# Altium PCB W5100S-PICO-Mining_V100.PcbDoc (part 2 of 2)
Units mm, origin at the board's own origin, x right, y up, seen from the top; angles counter-clockwise.
Board outline 120 x 140 mm, 4 copper layers (Top Layer, Internal Plane 1, Internal Plane 2, Bottom Layer), stack 0.844 mm thick; 224 components, 173 nets, 847 pads, 397 vias.
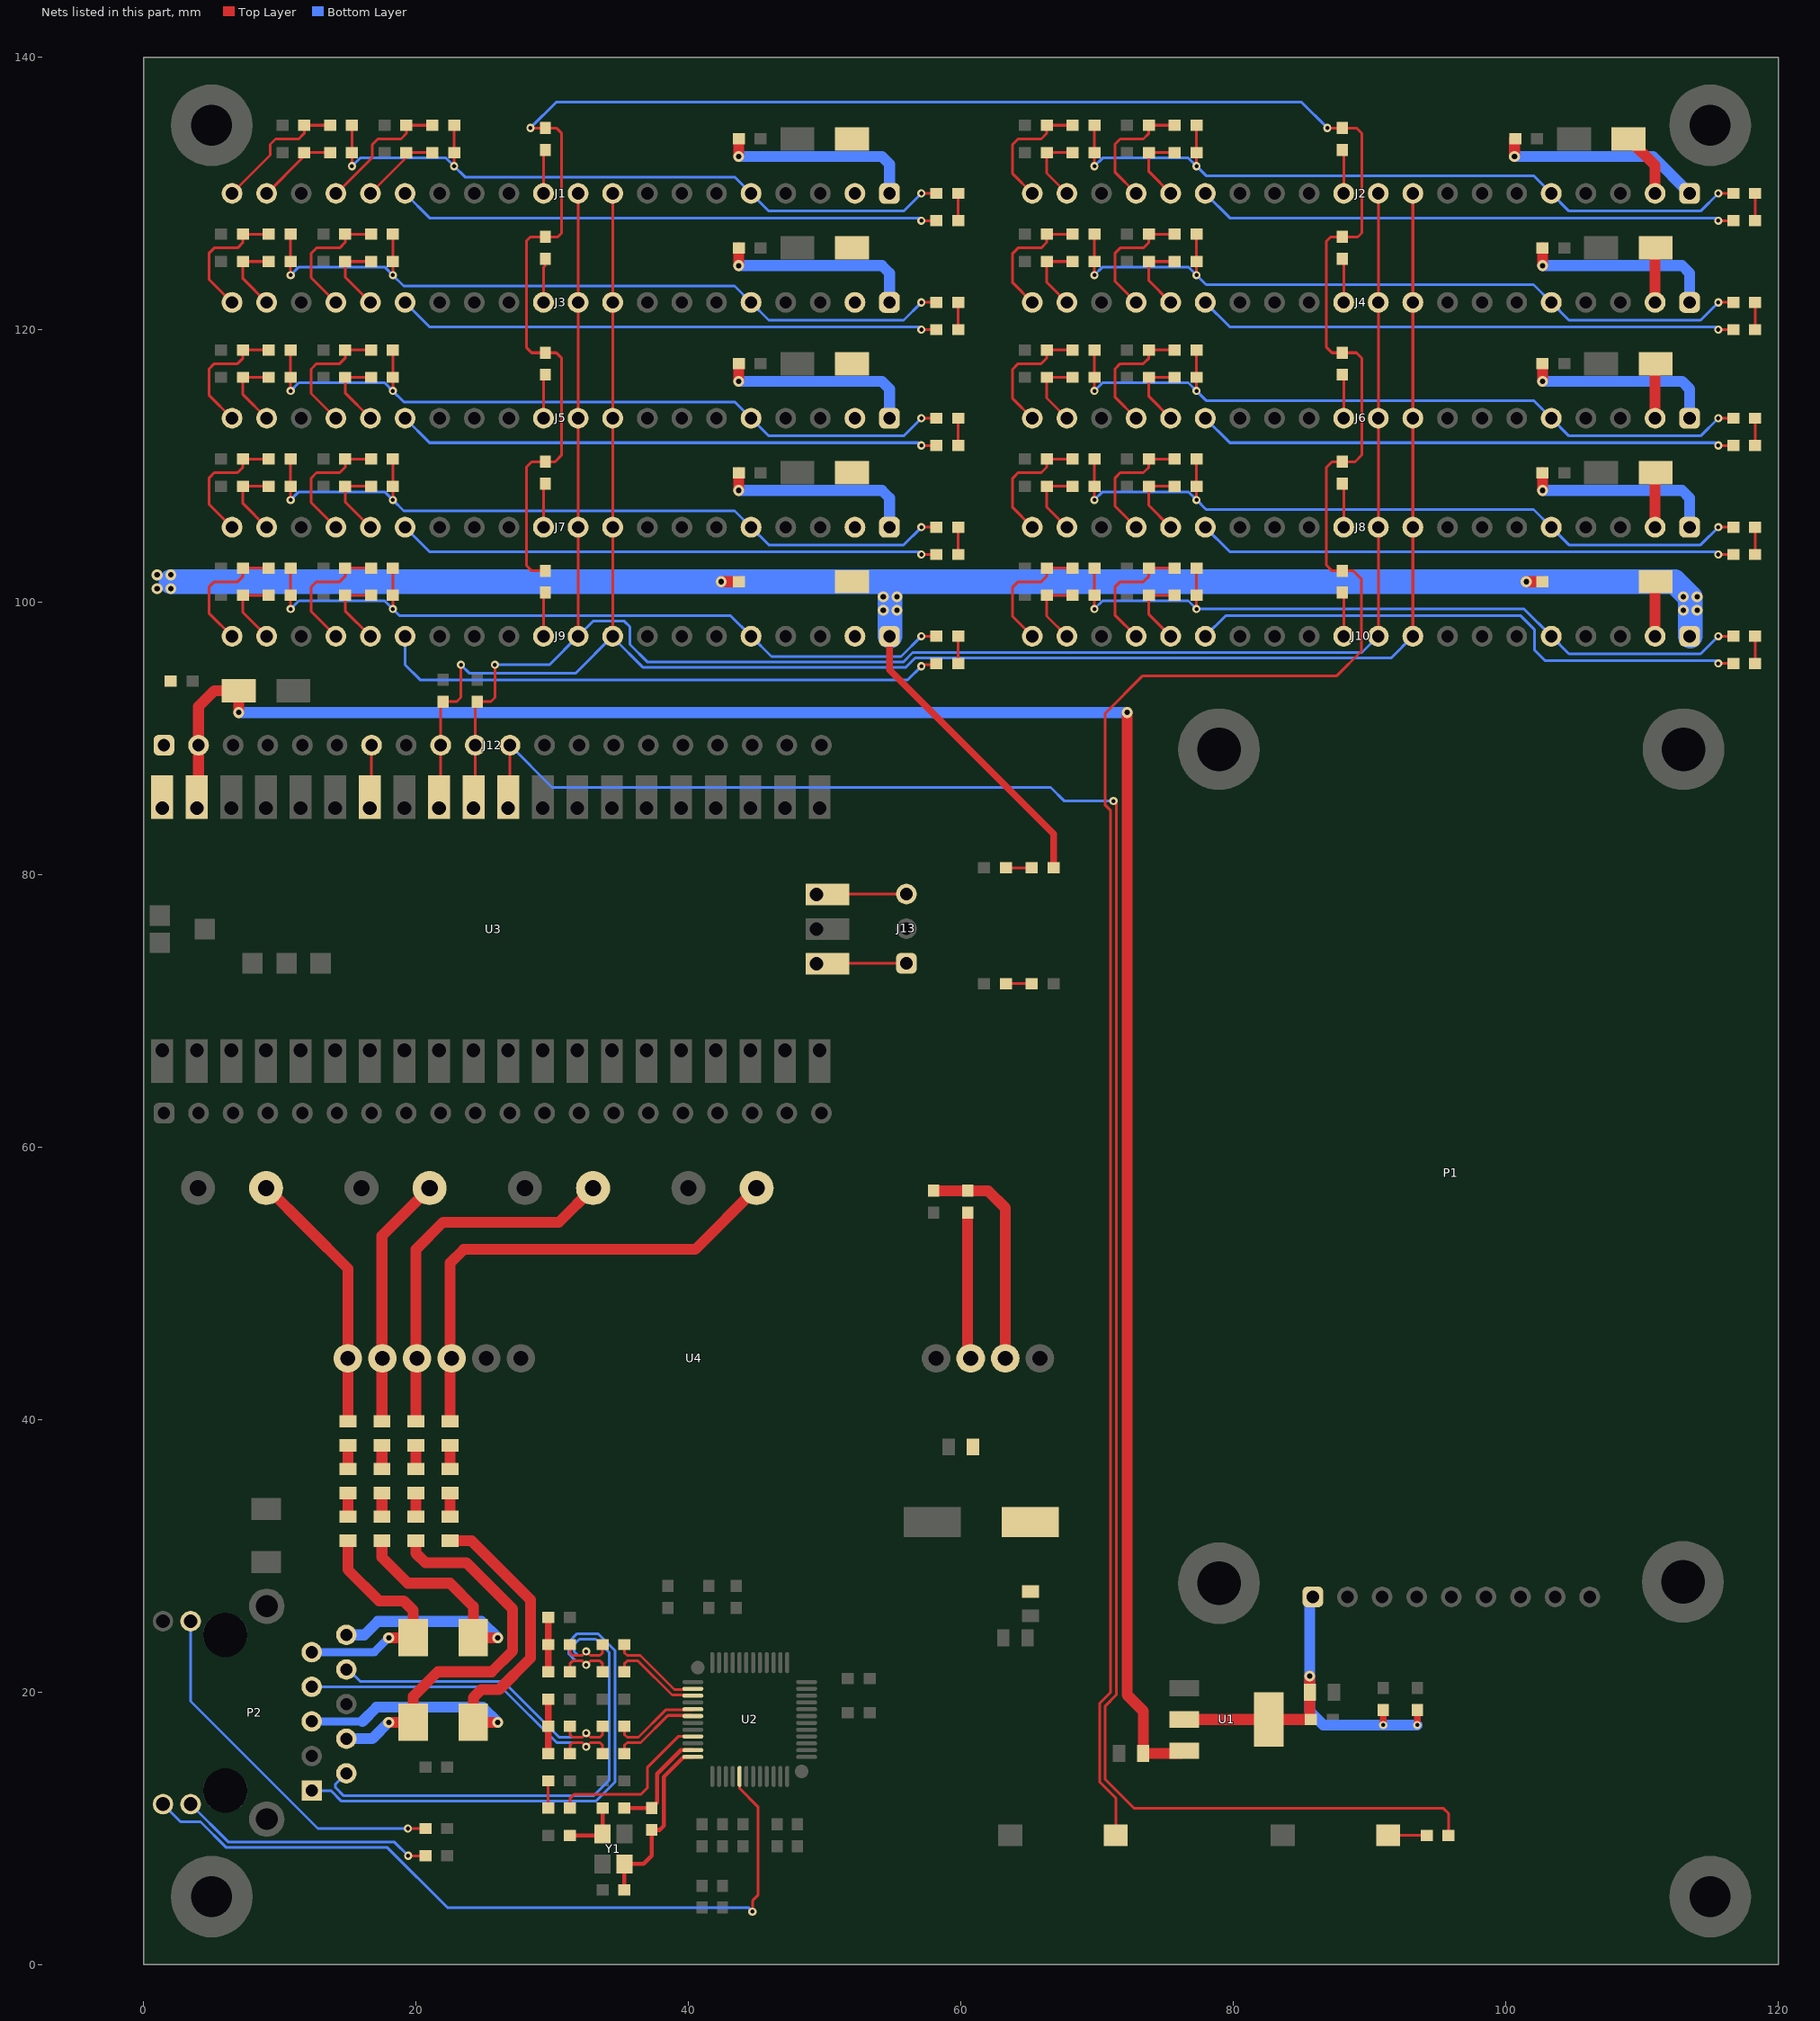
[diagram p4: the nets of this part, all layers, seen from the top]

## Via types
v1: diameter 0.8, hole 0.4, Top Layer to Bottom Layer, tented both sides, 244 vias
v2: diameter 0.6, hole 0.3, Top Layer to Bottom Layer, tented both sides, 153 vias

## Nets (pads, with @x,y where several pads share a name; then routed paths per layer and width w, separated by ;. In a path a pad name is that pad's centre, name@x,y a point inside that pad or via, vN(x,y) a via of type N, cw(c..) or ccw(c..) an arc to the next point about the centre after c; other vN are vias at no path point) (continued)
GPIO26/ADC0: J1.10 J2.10 J3.10 J4.10 J5.10 J6.10 J7.10 J8.10 J9.10 J10.10 J12.10 R133.1 U3.31 | length 143.9
  Top Layer w0.2: U3.31@24.23,85.69 24.36,85.82 J12.10@24.36,89.5 24.36,92.56 R133.1@24.5,92.7 25.5,92.7 25.8,93 v2(25.8,95.4) ; J9.10@31.9,97.5 J7.10@31.9,105.5 J5.10@31.9,113.5 J3.10@31.9,121.5 ; J3.10@31.9,122 J1.10@31.9,130 ; J10.10@90.64,97.5 J8.10@90.64,105.5 J6.10@90.64,113.5 J4.10@90.64,121.5 ; J4.10@90.64,122 J2.10@90.64,130
  Bottom Layer w0.2: v2(25.8,95.4) 29.8,95.4 J9.10@31.9,97.5 33,98.6 35.3,98.6 35.7,98.2 35.7,96.9 37,95.6 55.734,95.6 55.766,95.6 56.466,96.3 89.44,96.3 J10.10@90.64,97.5
GPIO27/ADC1: J1.9 J2.9 J3.9 J4.9 J5.9 J6.9 J7.9 J8.9 J9.9 J10.9 J12.9 R132.1 U3.32 | length 148
  Top Layer w0.2: U3.32@21.69,85.69 21.82,85.82 J12.9@21.82,89.5 21.82,92.52 R132.1@22,92.7 23,92.7 23.3,93 v2(23.3,95.4) ; J9.9@34.44,97.5 J7.9@34.44,105.5 J5.9@34.44,113.5 J3.9@34.44,121.5 ; J3.9@34.44,122 J1.9@34.44,130 ; J10.9@93.18,97.5 J8.9@93.18,105.5 J6.9@93.18,113.5 J4.9@93.18,121.5 ; J4.9@93.18,122 J2.9@93.18,130
  Bottom Layer w0.2: v2(23.3,95.4) 23.9,94.8 31.74,94.8 J9.9@34.44,97.5 ; J9.9@34.521,97.358 36.679,95.2 55.9,95.2 55.931,95.2 56.631,95.9 89.606,95.9 91.58,95.9 J10.9@93.18,97.5
GPIO28/ADC2: J12.7 U3.34 | length 3.9
  Top Layer w0.2: U3.34@16.61,85.69 16.74,85.82 J12.7@16.74,89.5
LCD_3V3: C2.2 C3.2 P1.1 R91.2 R92.2 U1.2 U1.4 | length 31.4
  Top Layer w0.5: v2(91,17.6) R91.2@91,18.7 ; v2(93.5,17.6) R92.2@93.5,18.7
  Top Layer w0.8: U1.2@76.4,18 U1.4@82.6,18 85.6,18 85.6,20 v1(85.6,21.2)
  Bottom Layer w0.8: P1.1@85.84,27 85.6,26.76 v1(85.6,21.2) 85.6,18.6 86.6,17.6 v2(91,17.6) v2(93.5,17.6)
LINKn: P2.P14 U2.17 | length 57.2
  Top Layer w0.2: U2.17@43.75,13.825 43.75,12.95 45.1,11.6 45.1,5.1 44.7,4.7 v2(44.7,3.9)
  Bottom Layer w0.2: P2.P14@1.43,11.785 2.725,10.49 4.19,10.49 6.079,8.6 17.9,8.6 22.3,4.2 44.4,4.2 v2(44.7,3.9)
NetC5_2: C5.2 R121.1 R122.1 | length 4
  Top Layer w0.5: R121.1@29.7,15.5 R122.1@29.7,17.5 C5.2@29.7,19.5
NetC6_2: C6.2 R123.1 R124.1 | length 4
  Top Layer w0.5: R123.1@29.7,21.5 R124.1@29.7,23.5 C6.2@29.7,25.5
NetC8_1: C8.1 C9.2 L4.1 R129.1 U4.8 | length 10.8
  Top Layer w0.8: R129.1@60.5,55.2 60.5,44.72 U4.8@60.72,44.5
NetC11_2: C11.2 L3.2 U4.1 | length 19.6
  Top Layer w0.8: C11.2@9.05,57.05 12.1,54 15,51.1 U4.1@15,44.5 L3.2@15,39.889
NetC12_2: C12.2 L7.2 U4.2 | length 18.6
  Top Layer w0.8: L7.2@17.5,39.889 17.5,53.5 C12.2@21,57
NetC13_2: C13.2 L10.2 U4.3 | length 27.5
  Top Layer w0.8: L10.2@20,39.889 20,44.5 20,52.5 22,54.5 30.5,54.5 C13.2@33,57
NetC14_2: C14.2 L13.2 U4.4 | length 36.4
  Top Layer w0.8: L13.2@22.5,39.889 22.5,51.5 23.5,52.5 40.5,52.5 C14.2@45,57
NetC15_2: C15.2 R131.1 Y1.1 | length 4.3
  Top Layer w0.3: C15.2@31.3,9.5 33.6,9.5 Y1.1@33.7,9.6 R131.1@33.7,11.5
NetD1_2: D1.2 J1.2
NetD2_2: D2.2 J2.2 | length 4.8
  Top Layer w0.8: D2.2@109,134 110.96,132.04 J2.2@110.96,130
NetD3_2: D3.2 J3.2
NetD4_2: D4.2 J4.2 | length 4
  Top Layer w0.8: J4.2@110.96,122 D4.2@110.96,125.96
NetD5_2: D5.2 J5.2
NetD6_2: D6.2 J6.2 | length 4
  Top Layer w0.8: J6.2@110.96,113.5 D6.2@110.96,117.46
NetD7_2: D7.2 J7.2
NetD8_2: D8.2 J8.2 | length 4
  Top Layer w0.8: J8.2@110.96,105.5 D8.2@110.96,109.46
NetD9_2: D9.2 J9.2
NetD10_2: D10.2 J10.2 | length 4
  Top Layer w0.8: J10.2@110.96,97.5 D10.2@110.96,101.46
NetJ1_5: J1.5 LD1.1 R10.2 R11.2 R12.2 R13.2 | length 51.3
  Top Layer w0.2: v2(15.3,132) R10.2@15.3,135 ; v2(22.8,132) R12.2@22.8,135 ; v2(57.1,130) LD1.1@58.2,130
  Bottom Layer w0.2: v2(15.3,132) 15.9,132.6 22.2,132.6 v2(22.8,132) 23.6,131.2 43.4,131.2 J1.5@44.6,130 45.9,128.7 55.8,128.7 v2(57.1,130)
NetJ1_11: J1.11 R5.2 | length 3.3
  Top Layer w0.2: J1.11@29.36,130 29.36,132.56 29.36,133.06 R5.2@29.5,133.2
NetJ1_15: J1.15 R9.2 | length 39.8
  Top Layer w0.2: v2(57.1,128) R9.2@58.2,128
  Bottom Layer w0.2: J1.15@19.2,130 21,128.2 45.7,128.2 56.9,128.2 v2(57.1,128)
NetJ1_16: J1.16 R13.1 R32.2 | length 6
  Top Layer w0.2: J1.16@16.66,130 19.3,132.64 R32.2@19.3,133 R13.1@21.2,133
NetJ1_17: J1.17 R12.1 R31.2 | length 9.9
  Top Layer w0.2: J1.17@14.221,130.058 16.8,132.637 16.8,133.6 17.2,134 18.9,134 19.3,134.4 R31.2@19.3,135 R12.1@21.2,135
NetJ1_19: J1.19 R11.1 R30.2 | length 6.1
  Top Layer w0.2: J1.19@9.021,129.958 11.8,132.737 R30.2@11.8,133 R11.1@13.7,133
NetJ1_20: J1.20 R10.1 R29.2 | length 10.1
  Top Layer w0.2: J1.20@6.5,130 9.3,132.8 9.3,133.6 9.7,134 11.4,134 11.8,134.4 R29.2@11.8,135 R10.1@13.7,135
NetJ2_5: J2.5 LD2.1 R15.2 R16.2 R17.2 R18.2 | length 55.3
  Top Layer w0.2: v2(69.8,132) R15.2@69.8,135 ; v2(77.3,132) R17.2@77.3,135 ; v2(115.6,130) LD2.1@116.7,130
  Bottom Layer w0.2: v2(69.8,132) 70.4,132.6 76.7,132.6 v2(77.3,132) 78,131.3 102.04,131.3 J2.5@103.34,130 104.64,128.7 114.3,128.7 v2(115.6,130)
NetJ2_11: J2.11 R6.2 | length 3.2
  Top Layer w0.2: R6.2@88,133.2 88.1,133.1 J2.11@88.1,130
NetJ2_15: J2.15 R14.2 | length 39.6
  Top Layer w0.2: v2(115.6,128) R14.2@116.7,128
  Bottom Layer w0.2: J2.15@77.94,130 79.74,128.2 88.9,128.2 115.4,128.2 v2(115.6,128)
NetJ2_16: J2.16 R18.1 R36.2 | length 5.6
  Top Layer w0.2: J2.16@75.4,130 73.8,131.6 R36.2@73.8,133 R18.1@75.7,133
NetJ2_17: J2.17 R17.1 R35.2 | length 9.6
  Top Layer w0.2: J2.17@72.86,130 71.3,131.56 71.3,133.6 71.7,134 73.4,134 73.8,134.4 R35.2@73.8,135 R17.1@75.7,135
NetJ2_19: J2.19 R16.1 R34.2 | length 5.5
  Top Layer w0.2: J2.19@67.78,130 66.3,131.48 R34.2@66.3,133 R16.1@68.2,133
NetJ2_20: J2.20 R15.1 R33.2 | length 9.5
  Top Layer w0.2: J2.20@65.24,130 63.8,131.44 63.8,133.6 64.2,134 65.9,134 66.3,134.4 R33.2@66.3,135 R15.1@68.2,135
NetJ3_5: J3.5 LD3.1 R20.2 R21.2 R22.2 R23.2 | length 55.8
  Top Layer w0.2: v2(10.8,124) R21.2@10.8,125 R20.2@10.8,127 ; v2(18.3,124) R23.2@18.3,125 R22.2@18.3,127 ; v2(57.1,122) LD3.1@58.2,122
  Bottom Layer w0.2: v2(10.8,124) 11.4,124.6 17.7,124.6 v2(18.3,124) 19.1,123.2 43.4,123.2 J3.5@44.6,122 45.9,120.7 55.8,120.7 v2(57.1,122)
NetJ3_11: J3.11 R7.2 | length 2.8
  Top Layer w0.2: J3.11@29.36,122 29.36,124.56 29.5,124.7
NetJ3_15: J3.15 R19.2 | length 39.8
  Top Layer w0.2: v2(57.1,120) R19.2@58.2,120
  Bottom Layer w0.2: J3.15@19.2,122 21,120.2 45.7,120.2 56.9,120.2 v2(57.1,120)
NetJ3_16: J3.16 R23.1 R40.2 | length 5.7
  Top Layer w0.2: J3.16@16.66,122 14.8,123.86 R40.2@14.8,125 R23.1@16.7,125
NetJ3_17: J3.17 R22.1 R39.2 | length 9.7
  Top Layer w0.2: J3.17@14.12,122 12.3,123.82 12.3,125.6 12.7,126 14.4,126 14.8,126.4 R39.2@14.8,127 R22.1@16.7,127
NetJ3_19: J3.19 R21.1 R38.2 | length 5.6
  Top Layer w0.2: J3.19@9.04,122 7.3,123.74 R38.2@7.3,125 R21.1@9.2,125
NetJ3_20: J3.20 R20.1 R37.2 | length 9.6
  Top Layer w0.2: J3.20@6.5,122 4.8,123.7 4.8,125.6 5.2,126 6.9,126 7.3,126.4 R37.2@7.3,127 R20.1@9.2,127
NetJ4_5: J4.5 LD4.1 R25.2 R26.2 R27.2 R28.2 | length 55.3
  Top Layer w0.2: v2(69.8,124) R25.2@69.8,127 ; v2(77.3,124) R27.2@77.3,127 ; v2(115.6,122) LD4.1@116.7,122
  Bottom Layer w0.2: v2(69.8,124) 70.4,124.6 76.7,124.6 v2(77.3,124) 78,123.3 102.04,123.3 J4.5@103.34,122 104.64,120.7 114.3,120.7 v2(115.6,122)
NetJ4_11: J4.11 R8.2 | length 3.2
  Top Layer w0.2: R8.2@88,125.2 88.1,125.1 J4.11@88.1,122
NetJ4_15: J4.15 R24.2 | length 39.6
  Top Layer w0.2: v2(115.6,120) R24.2@116.7,120
  Bottom Layer w0.2: J4.15@77.94,122 79.74,120.2 88.9,120.2 115.4,120.2 v2(115.6,120)
NetJ4_16: J4.16 R28.1 R44.2 | length 5.6
  Top Layer w0.2: J4.16@75.4,122 73.8,123.6 R44.2@73.8,125 R28.1@75.7,125
NetJ4_17: J4.17 R27.1 R43.2 | length 9.6
  Top Layer w0.2: J4.17@72.86,122 71.3,123.56 71.3,125.6 71.7,126 73.4,126 73.8,126.4 R43.2@73.8,127 R27.1@75.7,127
NetJ4_19: J4.19 R26.1 R42.2 | length 5.5
  Top Layer w0.2: J4.19@67.78,122 66.3,123.48 R42.2@66.3,125 R26.1@68.2,125
NetJ4_20: J4.20 R25.1 R41.2 | length 9.5
  Top Layer w0.2: J4.20@65.24,122 63.8,123.44 63.8,125.6 64.2,126 65.9,126 66.3,126.4 R41.2@66.3,127 R25.1@68.2,127
NetJ5_5: J5.5 LD5.1 R54.2 R55.2 R56.2 R57.2 | length 55.8
  Top Layer w0.2: v2(10.8,115.5) R55.2@10.8,116.5 R54.2@10.8,118.5 ; v2(18.3,115.5) R57.2@18.3,116.5 R56.2@18.3,118.5 ; v2(57.1,113.5) LD5.1@58.2,113.5
  Bottom Layer w0.2: v2(10.8,115.5) 11.4,116.1 17.7,116.1 v2(18.3,115.5) 19.1,114.7 43.4,114.7 J5.5@44.6,113.5 45.9,112.2 55.8,112.2 v2(57.1,113.5)
NetJ5_11: J5.11 R49.2 | length 3.3
  Top Layer w0.2: J5.11@29.36,113.5 29.36,116.56 R49.2@29.5,116.7
NetJ5_15: J5.15 R53.2 | length 39.8
  Top Layer w0.2: v2(57.1,111.5) R53.2@58.2,111.5
  Bottom Layer w0.2: J5.15@19.2,113.5 21,111.7 45.7,111.7 56.9,111.7 v2(57.1,111.5)
NetJ5_16: J5.16 R57.1 R76.2 | length 5.7
  Top Layer w0.2: J5.16@16.66,113.5 14.8,115.36 R76.2@14.8,116.5 R57.1@16.7,116.5
NetJ5_17: J5.17 R56.1 R75.2 | length 9.7
  Top Layer w0.2: J5.17@14.12,113.5 12.3,115.32 12.3,117.1 12.7,117.5 14.4,117.5 14.8,117.9 R75.2@14.8,118.5 R56.1@16.7,118.5
NetJ5_19: J5.19 R55.1 R74.2 | length 5.6
  Top Layer w0.2: J5.19@9.04,113.5 7.3,115.24 R74.2@7.3,116.5 R55.1@9.2,116.5
NetJ5_20: J5.20 R54.1 R73.2 | length 9.6
  Top Layer w0.2: J5.20@6.5,113.5 4.8,115.2 4.8,117.1 5.2,117.5 6.9,117.5 7.3,117.9 R73.2@7.3,118.5 R54.1@9.2,118.5
NetJ6_5: J6.5 LD6.1 R59.2 R60.2 R61.2 R62.2 | length 55.3
  Top Layer w0.2: v2(69.8,115.5) R59.2@69.8,118.5 ; v2(77.3,115.5) R61.2@77.3,118.5 ; v2(115.6,113.5) LD6.1@116.7,113.5
  Bottom Layer w0.2: v2(69.8,115.5) 70.4,116.1 76.7,116.1 v2(77.3,115.5) 78,114.8 102.04,114.8 J6.5@103.34,113.5 104.64,112.2 114.3,112.2 v2(115.6,113.5)
NetJ6_11: J6.11 R50.2 | length 3.2
  Top Layer w0.2: R50.2@88,116.7 88.1,116.6 J6.11@88.1,113.5
NetJ6_15: J6.15 R58.2 | length 39.6
  Top Layer w0.2: v2(115.6,111.5) R58.2@116.7,111.5
  Bottom Layer w0.2: J6.15@77.94,113.5 79.74,111.7 88.9,111.7 115.4,111.7 v2(115.6,111.5)
NetJ6_16: J6.16 R62.1 R80.2 | length 5.6
  Top Layer w0.2: J6.16@75.4,113.5 73.8,115.1 R80.2@73.8,116.5 R62.1@75.7,116.5
NetJ6_17: J6.17 R61.1 R79.2 | length 9.6
  Top Layer w0.2: J6.17@72.86,113.5 71.3,115.06 71.3,117.1 71.7,117.5 73.4,117.5 73.8,117.9 R79.2@73.8,118.5 R61.1@75.7,118.5
NetJ6_19: J6.19 R60.1 R78.2 | length 5.5
  Top Layer w0.2: J6.19@67.78,113.5 66.3,114.98 R78.2@66.3,116.5 R60.1@68.2,116.5
NetJ6_20: J6.20 R59.1 R77.2 | length 9.5
  Top Layer w0.2: J6.20@65.24,113.5 63.8,114.94 63.8,117.1 64.2,117.5 65.9,117.5 66.3,117.9 R77.2@66.3,118.5 R59.1@68.2,118.5
NetJ7_5: J7.5 LD7.1 R64.2 R65.2 R66.2 R67.2 | length 55.8
  Top Layer w0.2: v2(10.8,107.5) R65.2@10.8,108.5 R64.2@10.8,110.5 ; v2(18.3,107.5) R67.2@18.3,108.5 R66.2@18.3,110.5 ; v2(57.1,105.5) LD7.1@58.2,105.5
  Bottom Layer w0.2: v2(10.8,107.5) 11.4,108.1 17.7,108.1 v2(18.3,107.5) 19.1,106.7 43.4,106.7 J7.5@44.6,105.5 45.9,104.2 55.8,104.2 v2(57.1,105.5)
NetJ7_11: J7.11 R51.2 | length 3.3
  Top Layer w0.2: J7.11@29.36,105.5 29.36,108.56 R51.2@29.5,108.7
NetJ7_15: J7.15 R63.2 | length 39.8
  Top Layer w0.2: v2(57.1,103.5) R63.2@58.2,103.5
  Bottom Layer w0.2: J7.15@19.2,105.5 21,103.7 45.7,103.7 56.9,103.7 v2(57.1,103.5)
NetJ7_16: J7.16 R67.1 R84.2 | length 5.7
  Top Layer w0.2: J7.16@16.66,105.5 14.8,107.36 R84.2@14.8,108.5 R67.1@16.7,108.5
NetJ7_17: J7.17 R66.1 R83.2 | length 9.7
  Top Layer w0.2: J7.17@14.12,105.5 12.3,107.32 12.3,109.1 12.7,109.5 14.4,109.5 14.8,109.9 R83.2@14.8,110.5 R66.1@16.7,110.5
NetJ7_19: J7.19 R65.1 R82.2 | length 5.6
  Top Layer w0.2: J7.19@9.04,105.5 7.3,107.24 R82.2@7.3,108.5 R65.1@9.2,108.5
NetJ7_20: J7.20 R64.1 R81.2 | length 9.6
  Top Layer w0.2: J7.20@6.5,105.5 4.8,107.2 4.8,109.1 5.2,109.5 6.9,109.5 7.3,109.9 R81.2@7.3,110.5 R64.1@9.2,110.5
NetJ8_5: J8.5 LD8.1 R69.2 R70.2 R71.2 R72.2 | length 55.3
  Top Layer w0.2: v2(69.8,107.5) R69.2@69.8,110.5 ; v2(77.3,107.5) R71.2@77.3,110.5 ; v2(115.6,105.5) LD8.1@116.7,105.5
  Bottom Layer w0.2: v2(69.8,107.5) 70.4,108.1 76.7,108.1 v2(77.3,107.5) 78,106.8 102.04,106.8 J8.5@103.34,105.5 104.64,104.2 114.3,104.2 v2(115.6,105.5)
NetJ8_11: J8.11 R52.2 | length 3.2
  Top Layer w0.2: R52.2@88,108.7 88.1,108.6 J8.11@88.1,105.5
NetJ8_15: J8.15 R68.2 | length 39.6
  Top Layer w0.2: v2(115.6,103.5) R68.2@116.7,103.5
  Bottom Layer w0.2: J8.15@77.94,105.5 79.74,103.7 88.9,103.7 115.4,103.7 v2(115.6,103.5)
NetJ8_16: J8.16 R72.1 R88.2 | length 5.6
  Top Layer w0.2: J8.16@75.4,105.5 73.8,107.1 R88.2@73.8,108.5 R72.1@75.7,108.5
NetJ8_17: J8.17 R71.1 R87.2 | length 9.6
  Top Layer w0.2: J8.17@72.86,105.5 71.3,107.06 71.3,109.1 71.7,109.5 73.4,109.5 73.8,109.9 R87.2@73.8,110.5 R71.1@75.7,110.5
NetJ8_19: J8.19 R70.1 R86.2 | length 5.5
  Top Layer w0.2: J8.19@67.78,105.5 66.3,106.98 R86.2@66.3,108.5 R70.1@68.2,108.5
NetJ8_20: J8.20 R69.1 R85.2 | length 9.5
  Top Layer w0.2: J8.20@65.24,105.5 63.8,106.94 63.8,109.1 64.2,109.5 65.9,109.5 66.3,109.9 R85.2@66.3,110.5 R69.1@68.2,110.5
NetJ9_5: J9.5 LD9.1 R97.2 R98.2 R99.2 R100.2 | length 56
  Top Layer w0.2: v2(10.8,99.5) R98.2@10.8,100.5 R97.2@10.8,102.5 ; v2(18.3,99.5) R100.2@18.3,100.5 R99.2@18.3,102.5 ; v2(57.1,97.5) LD9.1@58.2,97.5
  Bottom Layer w0.2: v2(10.8,99.5) 11.4,100.1 17.7,100.1 v2(18.3,99.5) 18.8,99 43.1,99 J9.5@44.6,97.5 46.1,96 55.6,96 v2(57.1,97.5)
NetJ9_11: J9.11 R94.2 | length 3.3
  Top Layer w0.2: J9.11@29.36,97.5 29.36,100.56 R94.2@29.5,100.7
NetJ9_15: J9.15 R96.2 | length 42.1
  Top Layer w0.2: v2(57.1,95.3) 57.2,95.4 58.2,95.4 R96.2@58.2,95.5
  Bottom Layer w0.2: J9.15@19.2,97.5 19.2,95.4 20.3,94.3 56.1,94.3 v2(57.1,95.3)
NetJ9_16: J9.16 R100.1 R109.2 | length 5.7
  Top Layer w0.2: J9.16@16.66,97.5 14.8,99.36 R109.2@14.8,100.5 R100.1@16.7,100.5
NetJ9_17: J9.17 R99.1 R108.2 | length 9.7
  Top Layer w0.2: J9.17@14.12,97.5 12.3,99.32 12.3,101.1 12.7,101.5 14.4,101.5 14.8,101.9 R108.2@14.8,102.5 R99.1@16.7,102.5
NetJ9_19: J9.19 R98.1 R107.2 | length 5.6
  Top Layer w0.2: J9.19@9.04,97.5 7.3,99.24 R107.2@7.3,100.5 R98.1@9.2,100.5
NetJ9_20: J9.20 R97.1 R106.2 | length 9.6
  Top Layer w0.2: J9.20@6.5,97.5 4.8,99.2 4.8,101.1 5.2,101.5 6.9,101.5 7.3,101.9 R106.2@7.3,102.5 R97.1@9.2,102.5
NetJ10_5: J10.5 LD10.1 R102.2 R103.2 R104.2 R105.2 | length 55.3
  Top Layer w0.2: v2(69.8,99.5) R102.2@69.8,102.5 ; v2(77.3,99.5) R104.2@77.3,102.5 ; v2(115.6,97.5) LD10.1@116.7,97.5
  Bottom Layer w0.2: v2(69.8,99.5) 70.4,100.1 76.7,100.1 v2(77.3,99.5) 101.34,99.5 J10.5@103.34,97.5 104.64,96.2 114.3,96.2 v2(115.6,97.5)
NetJ10_11: J10.11 R95.2 | length 3.2
  Top Layer w0.2: R95.2@88,100.7 88.1,100.6 J10.11@88.1,97.5
NetJ10_15: J10.15 R101.2 | length 41.7
  Top Layer w0.2: v2(115.6,95.5) R101.2@116.7,95.5
  Bottom Layer w0.2: J10.15@77.94,97.5 79.44,99 101.1,99 102.1,98 102.1,96.5 102.9,95.7 115.4,95.7 v2(115.6,95.5)
NetJ10_16: J10.16 R105.1 R113.2 | length 5.6
  Top Layer w0.2: J10.16@75.4,97.5 73.8,99.1 R113.2@73.8,100.5 R105.1@75.7,100.5
NetJ10_17: J10.17 R104.1 R112.2 | length 9.6
  Top Layer w0.2: J10.17@72.86,97.5 71.3,99.06 71.3,101.1 71.7,101.5 73.4,101.5 73.8,101.9 R112.2@73.8,102.5 R104.1@75.7,102.5
NetJ10_19: J10.19 R103.1 R111.2 | length 5.5
  Top Layer w0.2: J10.19@67.78,97.5 66.3,98.98 R111.2@66.3,100.5 R103.1@68.2,100.5
NetJ10_20: J10.20 R102.1 R110.2 | length 9.5
  Top Layer w0.2: J10.20@65.24,97.5 63.8,98.94 63.8,101.1 64.2,101.5 65.9,101.5 66.3,101.9 R110.2@66.3,102.5 R102.1@68.2,102.5
NetL1_2: L1.2 L2.1 | length 1.7
  Top Layer w0.8: L1.2@15,32.889 L2.1@15,34.611
NetL2_2: L2.2 L3.1 | length 1.7
  Top Layer w0.8: L2.2@15,36.389 L3.1@15,38.111
NetL5_2: L5.2 L6.1 | length 1.7
  Top Layer w0.8: L5.2@17.5,32.889 L6.1@17.5,34.611
NetL6_2: L6.2 L7.1 | length 1.7
  Top Layer w0.8: L6.2@17.5,36.389 L7.1@17.5,38.111
NetL8_2: L8.2 L9.1 | length 1.7
  Top Layer w0.8: L8.2@20,32.889 L9.1@20,34.611
NetL9_2: L9.2 L10.1 | length 1.7
  Top Layer w0.8: L9.2@20,36.389 L10.1@20,38.111
NetL11_2: L11.2 L12.1 | length 1.7
  Top Layer w0.8: L11.2@22.5,32.889 L12.1@22.5,34.611
NetL12_2: L12.2 L13.1 | length 1.7
  Top Layer w0.8: L12.2@22.5,36.389 L13.1@22.5,38.111
NetLD1_2: LD1.2 R9.1 | length 2
  Top Layer w0.2: R9.1@59.8,128 LD1.2@59.8,130
NetLD2_2: LD2.2 R14.1 | length 2
  Top Layer w0.2: R14.1@118.3,128 LD2.2@118.3,130
NetLD3_2: LD3.2 R19.1 | length 2
  Top Layer w0.2: R19.1@59.8,120 LD3.2@59.8,122
NetLD4_2: LD4.2 R24.1 | length 2
  Top Layer w0.2: R24.1@118.3,120 LD4.2@118.3,122
NetLD5_2: LD5.2 R53.1 | length 2
  Top Layer w0.2: R53.1@59.8,111.5 LD5.2@59.8,113.5
NetLD6_2: LD6.2 R58.1 | length 2
  Top Layer w0.2: R58.1@118.3,111.5 LD6.2@118.3,113.5
NetLD7_2: LD7.2 R63.1 | length 2
  Top Layer w0.2: R63.1@59.8,103.5 LD7.2@59.8,105.5
NetLD8_2: LD8.2 R68.1 | length 2
  Top Layer w0.2: R68.1@118.3,103.5 LD8.2@118.3,105.5
NetLD9_2: LD9.2 R96.1 | length 2
  Top Layer w0.2: R96.1@59.8,95.5 LD9.2@59.8,97.5
NetLD10_2: LD10.2 R101.1 | length 2
  Top Layer w0.2: R101.1@118.3,95.5 LD10.2@118.3,97.5
NetLD11_1: LD11.1 R135.2 | length 1.9
  Top Layer w0.2: LD11.1@63.3,72 R135.2@65.2,72
NetLD12_1: LD12.1 R136.2 | length 1.9
  Top Layer w0.2: LD12.1@63.3,80.5 R136.2@65.2,80.5
NetP2_P11: P2.P11 R120.1 | length 27
  Top Layer w0.2: v2(19.403,10) R120.1@20.7,10
  Bottom Layer w0.2: P2.P11@3.46,25.215 3.46,19.34 12.8,10 v2(19.403,10)
NetP2_P13: P2.P13 R117.2 | length 18.8
  Top Layer w0.2: v2(19.427,8) R117.2@20.7,8
  Bottom Layer w0.2: P2.P13@3.46,11.785 6.245,9 18.427,9 v2(19.427,8)
NetR115_2: R115.2 U2.2 | length 6.8
  Top Layer w0.2: R115.2@35.3,23.5 35.3,22.9 35.5,22.7 36.466,22.7 38.966,20.2 40.275,20.2 U2.2@40.325,20.25
NetR116_2: R116.2 U2.3 | length 6.8
  Top Layer w0.2: R116.2@35.3,21.5 35.3,22.1 35.5,22.3 36.3,22.3 38.8,19.8 40.275,19.8 U2.3@40.325,19.75
NetR118_2: R118.2 U2.5 | length 6.6
  Top Layer w0.2: R118.2@35.3,17.5 35.3,16.9 35.5,16.7 36.334,16.7 38.334,18.7 40.275,18.7 U2.5@40.325,18.75
NetR119_2: R119.2 U2.6 | length 6.6
  Top Layer w0.2: R119.2@35.3,15.5 35.3,16.1 35.5,16.3 36.5,16.3 38.5,18.3 40.275,18.3 U2.6@40.325,18.25
NetR125_1: R125.1 U2.9 | length 12.5
  Top Layer w0.2: R125.1@31.3,11.5 31.3,12.2 31.6,12.5 36.5,12.5 37,13 37,14.5 39.25,16.75 U2.9@40.325,16.75
NetR125_2: R125.2 R126.1 | length 2
  Top Layer w0.2: R125.2@29.7,11.5 R126.1@29.7,13.5
NetR128_1: R128.1 R129.2 U4.9 | length 16.8
  Top Layer w0.8: R128.1@58,56.8 R129.2@60.5,56.8 62,56.8 63.26,55.54 U4.9@63.26,44.5
NetR134_1: R134.1 SW2.1 | length 2.8
  Top Layer w0.2: SW2.1@91.375,9.5 R134.1@94.2,9.5
RST: R5.1 R6.1 R7.1 R8.1 R49.1 R50.1 R51.1 R52.1 R94.1 R95.1 SW1.1 | length 255.4
  Top Layer w0.2: v2(28.4,134.8) R5.1@29.5,134.8 30.3,134.8 30.7,134.4 30.7,128.704 30.7,127.1 30.4,126.8 28.4,126.8 28.1,126.5 28.1,118.7 28.5,118.3 30.3,118.3 30.7,117.9 30.7,112.704 30.7,110.8 30.2,110.3 R51.1@29.5,110.3 28.5,110.3 28.1,109.9 28.1,102.7 28.5,102.3 R94.1@29.5,102.3 ; SW1.1@71.375,9.5 71.375,12.225 70.2,13.4 70.2,19.206 71,20.006 71,84.7 70.6,85.1 70.6,91.85 73.35,94.6 87.6,94.6 89.4,96.4 89.4,101.7 88.8,102.3 R95.1@88,102.3 87.24,102.3 86.84,102.7 86.84,109.9 87.24,110.3 R52.1@88,110.3 88.94,110.3 89.44,110.8 89.44,112.704 89.44,117.9 89.04,118.3 87.24,118.3 86.84,118.7 86.84,126.5 87.14,126.8 89.14,126.8 89.44,127.1 89.44,128.704 89.44,134.4 89.04,134.8 R6.1@88,134.8 v2(86.9,134.8)
  Bottom Layer w0.2: v2(28.4,134.8) 30.3,136.7 85,136.7 v2(86.9,134.8)
RUN: J12.11 R134.2 U3.30 | length 149.9
  Top Layer w0.2: U3.30@26.77,85.69 26.9,85.82 J12.11@26.9,89.5 ; v2(71.2,85.4) 71.4,85.2 71.4,83.6 71.4,33.1 71.4,19.8 70.6,19 70.6,13.6 72.7,11.5 95.4,11.5 95.8,11.1 R134.2@95.8,9.5
  Bottom Layer w0.2: J12.11@26.9,89.5 30,86.4 66.6,86.4 67.6,85.4 v2(71.2,85.4)
RX_N: P2.P8 R118.1 R122.2 | length 23.8
  Top Layer w0.2: R122.2@31.3,17.5 31.3,16.9 31.5,16.7 32.2,16.7 v2(32.5,17) 32.8,16.7 33.5,16.7 33.7,16.9 R118.1@33.7,17.5
  Bottom Layer w0.2: P2.P8@14.89,21.67 15.03,21.67 15.9,20.8 26.4,20.8 30.5,16.7 32.2,16.7 v2(32.5,17)
RX_P: P2.P7 R119.1 R121.2 | length 26
  Top Layer w0.2: R121.2@31.3,15.5 31.3,16.1 31.5,16.3 32.2,16.3 v2(32.5,16) 32.8,16.3 33.5,16.3 33.7,16.1 R119.1@33.7,15.5
  Bottom Layer w0.2: P2.P7@12.35,20.4 15.734,20.4 26.234,20.4 30.334,16.3 32.2,16.3 v2(32.5,16)
SWCLK: J13.1 U3.D1 | length 5.8
  Top Layer w0.2: U3.D1@50.2,73.46 50.24,73.5 J13.1@56,73.5
SWDIO: J13.3 U3.D3 | length 5.8
  Top Layer w0.2: U3.D3@50.2,78.54 50.24,78.58 J13.3@56,78.58
TX_N: P2.P2 R115.1 R124.2 | length 40.4
  Top Layer w0.2: R124.2@31.3,23.5 31.3,22.9 31.5,22.7 32.2,22.7 v2(32.5,23) 32.8,22.7 33.5,22.7 33.7,22.9 R115.1@33.7,23.5
  Bottom Layer w0.2: P2.P2@14.89,14.05 14.1,13.26 14.1,13 14.7,12.4 33.034,12.4 34.2,13.566 34.2,22.9 33.2,23.9 32,23.9 31.6,23.5 31.6,23 31.9,22.7 32.2,22.7 v2(32.5,23)
TX_P: P2.P1 R116.1 R123.2 | length 43.5
  Top Layer w0.2: R123.2@31.3,21.5 31.3,22.1 31.5,22.3 32.2,22.3 v2(32.5,22) 32.8,22.3 33.5,22.3 33.7,22.1 R116.1@33.7,21.5
  Bottom Layer w0.2: P2.P1@12.35,12.78 13.754,12.78 14.534,12 33.2,12 34.6,13.4 34.6,23.066 33.366,24.3 31.834,24.3 31.2,23.666 31.2,22.834 31.734,22.3 32.2,22.3 v2(32.5,22)
VBUS: J1.1 J2.1 J3.1 J4.1 J5.1 J6.1 J7.1 J8.1 J9.1 J10.1 J12.1 R1.2 R2.2 R3.2 R4.2 R45.2 R46.2 R47.2 R48.2 R89.2 R90.2 R130.2 R136.1 U3.40 | length 261
  Top Layer w0.5: J9.1@54.76,97.538 J9.1@54.76,97.5 54.76,95.04 66.8,83 R136.1@66.8,80.5
  Top Layer w0.8: v1(42.4,101.5) R89.2@43.7,101.5 ; v1(43.7,108.2) R47.2@43.7,109.5 ; v1(43.7,116.2) R45.2@43.7,117.5 ; v1(43.7,124.7) R3.2@43.7,126 ; v1(43.7,132.7) R1.2@43.7,134 ; v1(100.64,132.7) R2.2@100.64,134 ; v1(101.5,101.5) R90.2@102.7,101.5 ; v1(102.7,108.2) R48.2@102.7,109.5 ; v1(102.7,116.2) R46.2@102.7,117.5 ; v1(102.7,124.7) R4.2@102.7,126
  Bottom Layer w0.8: v1(43.7,108.2) 54.2,108.2 54.76,107.64 J7.1@54.76,105.5 ; v1(43.7,116.2) 54.2,116.2 54.76,115.64 J5.1@54.76,113.5 ; v1(43.7,124.7) 54.2,124.7 54.76,124.14 J3.1@54.76,122 ; v1(43.7,132.7) 54.2,132.7 54.76,132.14 J1.1@54.76,130 ; v1(100.64,132.7) 110.8,132.7 J2.1@113.5,130 ; v1(102.7,108.2) 112.94,108.2 113.5,107.64 J8.1@113.5,105.5 ; v1(102.7,116.2) 112.94,116.2 113.5,115.64 J6.1@113.5,113.5 ; v1(102.7,124.7) 112.94,124.7 113.5,124.14 J4.1@113.5,122
  Bottom Layer w1.8: 2,101.5 v1(42.4,101.5) 54.8,101.5 ; J9.1@54.8,97.5 54.8,100.4 54.8,101.5 ; J10.1@113.54,97.5 113.54,100.36 112.4,101.5 v1(101.5,101.5) 54.8,101.5
  other v1: 54.3,99.4 55.3,99.4 113.04,99.4 114.04,99.4 54.3,100.4 55.3,100.4 113.04,100.4 114.04,100.4 1,101 2,101 1,102 2,102
VIN1+: D12.2 L1.1 P2.P9 | length 18
  Top Layer w0.8: L1.1@15,31.111 15,29 17.3,26.7 19.1,26.7 19.79,26.01 D12.2@19.79,24 v1(18,24)
  Bottom Layer w0.6: P2.P9@12.35,22.94 16.94,22.94 v1(18,24)
VIN1-: D12.1 L5.1 P2.P10 | length 25.5
  Top Layer w0.8: L5.1@17.5,31.111 17.5,29.9 19.4,28 22.5,28 24.21,26.29 D12.1@24.21,24 v1(26,24)
  Bottom Layer w0.8: P2.P10@14.89,24.21 16.21,24.21 17.2,25.2 24.8,25.2 v1(26,24)
VIN2+: D11.2 L8.1 P2.P4 | length 28.8
  Top Layer w0.8: v1(18,17.8) D11.2@19.79,17.8 19.79,19.69 21.6,21.5 25.562,21.5 27.1,23.038 27.1,26.1 23.7,29.5 20.7,29.5 20,30.2 L8.1@20,31.111
  Bottom Layer w0.8: P2.P4@14.89,16.59 16.79,16.59 v1(18,17.8)
VIN2-: D11.1 L11.1 P2.P5 | length 35.5
  Top Layer w0.8: L11.1@22.5,31.111 24.089,31.111 28.4,26.8 28.4,22.5 26.1,20.2 24.8,20.2 24.21,19.61 D11.1@24.21,17.8 v1(26,17.8)
  Bottom Layer w0.6: P2.P5@12.35,17.86 16.06,17.86
  Bottom Layer w0.8: 16.06,17.86 17.1,18.9 24.9,18.9 v1(26,17.8)
VSYS: C1.2 D13.2 J12.2 U1.3 U3.39 | length 156.9
  Top Layer w0.8: U3.39@3.91,85.69 4.04,85.82 J12.2@4.04,89.5 4.04,92.34 5.2,93.5 D13.2@7,93.5 v1(7,91.9) ; v1(72.2,91.9) 72.2,19.8 73.389,18.611 C1.2@73.389,15.5 76.2,15.5 U1.3@76.4,15.7
  Bottom Layer w0.8: v1(7,91.9) v1(72.2,91.9)
XSCI: C16.2 R127.1 U2.12 Y1.3 | length 13.4
  Top Layer w0.3: C16.2@35.3,5.5 Y1.3@35.3,7.4 36.7,7.4 37.3,8 R127.1@37.3,9.9 37.9,9.9 38.2,10.2 38.2,13.793 39.657,15.25 U2.12@40.325,15.25
XSCO: R127.2 R131.2 U2.11 | length 8
  Top Layer w0.3: R131.2@35.3,11.5 R127.2@37.3,11.5 37.7,11.9 37.7,14 39.45,15.75 U2.11@40.325,15.75
pads on no net: J1.4 J1.6 J1.7 J1.12 J1.14 J2.4 J2.6 J2.7 J2.12 J2.14 J3.4 J3.6 J3.7 J3.12 J3.14 J4.4 J4.6 J4.7 J4.12 J4.14 J5.4 J5.6 J5.7 J5.12 J5.14 J6.4 J6.6 J6.7 J6.12 J6.14 J7.4 J7.6 J7.7 J7.12 J7.14 J8.4 J8.6 J8.7 J8.12 J8.14 J9.4 J9.6 J9.7 J9.12 J9.14 J10.4 J10.6 J10.7 J10.12 J10.14 P1.0 P2. U2.0 U2.18 U2.19 U2.21 U2.34 U2.35 U2.37 U2.38 U2.39 U2.40 U2.41 U2.42 U2.43 U2.44 U3.TP2 U3.TP3 U3.TP4 U3.TP5 U3.TP6 U4.5 U4.6 U4.10

## Polygon pours and split planes (outlines as drawn)
GND on Bottom Layer "NONET_L-01_P-001" (solid, remove dead copper, pour order 3): 0,10 17.5,10 17.5,27 0,27 0,140 120,140 120,0 0,0
GND on Top Layer "NONET_L-01_P-001" (solid, remove dead copper, pour order 2): 0,10 17.5,10 17.5,27 0,27 0,140 120,140 120,0 0,0
3V3 on Internal Plane 2 (split plane): 57.998,0.51 0.51,0.51 0.51,10 17.5,10 17.5,12.998 32.998,12.998 32.998,5.25 33.006,5.185 33.032,5.124 33.072,5.072 33.124,5.032 33.185,5.006 33.25,4.998 47.5,4.998 47.565,5.006 47.626,5.032 47.678,5.072 48.678,6.072 48.718,6.124 48.744,6.185 48.752,6.25 48.752,10.396 51.678,13.322 51.718,13.374 51.744,13.435 51.752,13.5 51.752,21.5 51.744,21.565 51.718,21.626 51.696,21.656 51.678,21.678 46.428,26.928 46.376,26.968 46.315,26.994 46.25,27.002 35.25,27.002 17.35,27.002 17.334,27 0.51,27 0.51,94.248 17.5,94.248 17.565,94.256 17.626,94.282 17.678,94.322 19.354,95.998 57.998,95.998
5V on Internal Plane 2 (split plane): 119.49,0.51 58.502,0.51 58.502,96.25 58.494,96.315 58.468,96.376 58.428,96.428 58.376,96.468 58.315,96.494 58.25,96.502 19.25,96.502 19.185,96.494 19.124,96.468 19.072,96.428 17.396,94.752 0.51,94.752 0.51,139.49 119.49,139.49
1V2D on Internal Plane 2 (split plane): 51.248,21.396 51.248,13.604 48.322,10.678 48.282,10.626 48.256,10.565 48.248,10.5 48.248,6.354 47.396,5.502 33.502,5.502 33.502,6.7 35.9,6.7 35.9,10.3 33.502,10.3 33.502,12.998 39.896,12.998 42.322,10.572 42.351,10.549 42.374,10.532 42.392,10.524 42.435,10.506 42.5,10.498 44.25,10.498 44.315,10.506 44.376,10.532 44.428,10.572 44.678,10.822 44.696,10.844 44.718,10.874 44.744,10.935 44.752,11 44.752,20.5 44.744,20.565 44.718,20.626 44.678,20.678 41.252,24.104 41.252,26.498 46.146,26.498
3V3A on Internal Plane 2 (split plane): 40.748,24 40.756,23.935 40.782,23.874 40.822,23.822 44.248,20.396 44.248,11.104 44.146,11.002 42.604,11.002 40.178,13.428 40.126,13.468 40.065,13.494 40,13.502 33.25,13.502 17.5,13.502 17.5,26.498 35.25,26.498 40.748,26.498
GND on Internal Plane 1 (split plane): 119.49,0.51 0.51,0.51 0.51,10 17.5,10 17.5,27 0.51,27 0.51,139.49 119.49,139.49

## Keep-outs
Keep-Out Layer:
  the board outline again, w0.2
  text ".Layer_Name" at 9.398,144.5 h1.52

## Other copper
Top Layer:
  region net NetD2_2: 112.1,129.5 111.8,129.2 110.3,129.2 110,129.5 110,131.2 108,133.2 108,134.8 109.8,134.8 112.1,132.5 112.1,130.2
  region net 5V: 106.3,133.1 102.3,133.1 101.9,133.5 101.9,135.5 102.3,135.9 105.2,135.9 106.3,134.8
  region net NetD4_2: 111.8,121.2 112.1,121.5 112.1,125.7 110,125.7 110,121.5 110.3,121.2 110.8,121.2
  region net 5V: 108.3,125.1 104.3,125.1 103.9,125.5 103.9,127.5 104.3,127.9 107.2,127.9 108.3,126.8
  region net NetD6_2: 111.8,112.7 112.1,113 112.1,117.2 110,117.2 110,113 110.3,112.7 110.8,112.7
  region net 5V: 108.3,116.6 104.3,116.6 103.9,117 103.9,119 104.3,119.4 107.2,119.4 108.3,118.3
  region net NetD8_2: 111.8,104.7 112.1,105 112.1,109.2 110,109.2 110,105 110.3,104.7 110.8,104.7
  region net 5V: 108.3,108.6 104.3,108.6 103.9,109 103.9,111 104.3,111.4 107.2,111.4 108.3,110.3
  region net NetD10_2: 111.8,96.7 112.1,97 112.1,101.2 110,101.2 110,97 110.3,96.7 110.8,96.7
  region net 5V: 108.3,100.6 104.3,100.6 103.9,101 103.9,103 104.3,103.4 107.2,103.4 108.3,102.3
  region net NetD1_2: 52.8,129.2 53.1,129.5 53.1,133.7 51,133.7 51,129.5 51.3,129.2 51.8,129.2
  region net 5V: 49.3,133.1 45.3,133.1 44.9,133.5 44.9,135.5 45.3,135.9 48.2,135.9 49.3,134.8
  region net NetD3_2: 52.8,121.2 53.1,121.5 53.1,125.7 51,125.7 51,121.5 51.3,121.2 51.8,121.2
  region net 5V: 49.3,125.1 45.3,125.1 44.9,125.5 44.9,127.5 45.3,127.9 48.2,127.9 49.3,126.8
  region net NetD5_2: 52.8,112.7 53.1,113 53.1,117.2 51,117.2 51,113 51.3,112.7 51.8,112.7
  region net 5V: 49.3,116.6 45.3,116.6 44.9,117 44.9,119 45.3,119.4 48.2,119.4 49.3,118.3
  region net 5V: 49.3,108.6 45.3,108.6 44.9,109 44.9,111 45.3,111.4 48.2,111.4 49.3,110.3
  region net NetD7_2: 52.8,104.7 53.1,105 53.1,109.2 51,109.2 51,105 51.3,104.7 51.8,104.7
  region net NetD9_2: 52.8,96.7 53.1,97 53.1,101.2 51,101.2 51,97 51.3,96.7 51.8,96.7
  region net 5V: 45.3,102.3 44.9,101.9 44.9,99.8 45.3,99.4 47.9,99.4 49.2,100.7 49.2,102.3
  region net GND: 77.5,19.7 74.5,19.7 74.5,21.6 77.5,21.6
  region net VBUS: 114.44,130.5 114.14,130.8 112.94,130.8 112.64,130.5 112.64,97 112.94,96.7 114.14,96.7 114.44,97
  region net VBUS: 55.7,130.5 55.4,130.8 54.2,130.8 53.9,130.5 53.9,97 54.2,96.7 55.4,96.7 55.7,97
  region net VBUS: 0.6,102 1,102.4 2,102.4 2.4,102 2.4,84.1 0.6,84.1
  pour cut-out: 77.5,21.5 77.5,14.5 81.5,14.5 81.5,21.5
  region net 5V: 3.1,93.8 3.1,96.4 3.5,96.8 4.5,96.8 4.9,96.4 4.9,94.5 4.2,93.8
  region net 5V: 64.8,21.3 64.4,21.7 64.4,26.1 66.8,26.1 67.2,25.7 67.2,21.7 66.8,21.3
  region net GND: 63.6,24.6 61.8,24.6 61.8,23.4 63.6,23.4
  region net GND: 58.6,45.6 59,45.2 59,41.3 55.2,41.3 55.2,45.6
  pour cut-out: 55.7,57.9 55.2,57.4 55.2,45.3 65.8,45.3 65.8,57.4 65.3,57.9
  region net GND: 59.2,38.6 57.5,38.6 57.5,37.4 59.2,37.4
  region net NetC8_1: 67.2,27.5 66.7,27 63.5,27 63,27.5 63,34.8 60.4,37.4 60.4,39.1 59.7,39.8 59.7,44.5 61.7,44.5 61.7,43.2 67.2,37.7
  region net GND: 56.5,34.9 56.5,30.1 59.3,30.1 59.3,34.9
  region net GND: 10.1,32.7 7.9,32.7 7.9,35.3 10.1,35.3
  region net CGND: 7.9,30.3 7.9,10.6 10.1,10.6 10.1,30.3
  text ".Layer_Name" at 9.398,144.5 h1.52
Bottom Layer:
  region net 5V: 102.3,135.1 102.3,135.9 104.1,135.9 104.1,135.1
  region net 5V: 104.3,127.1 104.3,127.9 106.1,127.9 106.1,127.1
  region net 5V: 104.3,118.6 104.3,119.4 106.1,119.4 106.1,118.6
  region net 5V: 104.3,110.6 104.3,111.4 106.1,111.4 106.1,110.6
  region net 5V: 104.3,102.6 104.3,103.4 106.1,103.4 106.1,102.6
  region net 5V: 45.3,135.1 45.3,135.9 47.1,135.9 47.1,135.1
  region net 5V: 45.3,127.1 45.3,127.9 47.1,127.9 47.1,127.1
  region net 5V: 45.3,118.6 45.3,119.4 47.1,119.4 47.1,118.6
  region net 5V: 45.3,110.6 45.3,111.4 47.1,111.4 47.1,110.6
  region net 5V: 45.3,99.4 45.3,100.2 47.1,100.2 47.1,99.4
  region net VBUS: 1,100.6 0.6,101 0.6,102 1,102.4 2,102.4 2.4,102 2.4,101 2,100.6
  region net 5V: 64.8,21.3 64.4,21.7 64.4,22.7 64.8,23.1 66.8,23.1 67.2,22.7 67.2,21.7 66.8,21.3
  region net 5V: 3.5,95 3.1,95.4 3.1,96.4 3.5,96.8 4.5,96.8 4.9,96.4 4.9,95.4 4.5,95
  text ".Layer_Name" at 9.398,144.5 h1.52
Internal Plane 1 (plane layer: these items are gaps in the copper):
  pour cut-out: 0,10 17.5,10 17.5,27 0,27
  pour cut-out: 55.2,33.5 49.7,33.5 49.7,53.5 55.2,53.5
  text ".Layer_Name" at 9.398,144.5 h1.52
Internal Plane 2 (plane layer: these items are gaps in the copper):
  pour cut-out: 0,10 17.5,10 17.5,27 0,27
  pour cut-out: 33.1,6.7 35.9,6.7 35.9,10.3 33.1,10.3
  pour cut-out: 55.2,33.5 49.7,33.5 49.7,53.5 55.2,53.5
  lines w0.5: 0,94.5 17.5,94.5 19.25,96.25 58.25,96.25 58.25,0 ; 17.25,13.25 33.25,13.25 ; 17.35,26.75 35.25,26.75 46.25,26.75 51.5,21.5 51.5,13.5 48.5,10.5 48.5,6.25 47.5,5.25 33.25,5.25 33.25,13.25 ; 41,26.75 41,24 44.5,20.5 44.5,11 44.25,10.75 42.5,10.75 40,13.25 33.25,13.25
  text ".Layer_Name" at 9.398,144.5 h1.52

## Silkscreen, mask and mechanical layers (free items; w line width, h text height)
Top Overlay:
  text ".Layer_Name" at 9.398,144.532 h1.52
  text "USB POWER" at 59.701,81.9 h1.2
  text "POE POWER" at 59.732,73.4 h1.2
  text "W5100S-PICO-Mining_V100" at 118.643,44.309 h1.8 r90
  text "Gateway RESET" at 81.193,5.6 h1.2
  text "PICO RESET" at 62.764,5.4 h1.2
Bottom Overlay:
  text ".Layer_Name" at 9.398,144.5 h1.52
Top Paste:
  text ".Layer_Name" at 9.398,144.5 h1.52
Bottom Paste:
  text ".Layer_Name" at 9.398,144.5 h1.52
Top Solder:
  text ".Layer_Name" at 9.398,144.5 h1.52
Bottom Solder:
  text ".Layer_Name" at 9.398,144.5 h1.52
Drill Guide:
  text ".Layer_Name" at 9.398,144.5 h1.52
Mechanical 2:
  lines w0.127: 126.846,16.129 153.008,16.129 ; 126.846,18.923 153.008,18.923 ; 126,4.775 ccw(c126.711,4.775) 126.711,4.064 153.889,4.064 ccw(c153.889,4.775) 154.6,4.775 154.6,24.003 ccw(c153.889,24.003) 153.889,24.714 126.711,24.714 ccw(c126.711,24.003) 126,24.003 126,4.775
  lines w0.2: 0,0 120,0 120,140 0,140 0,0
  text "BOARD NAME : W5100S-PICO-Mining_V100" at 0,155.676 h1.52
  text "VERSION : V100" at 0,152.882 h1.52
  text "SIZE : 120mmX140mmX1.6T" at 0,150.088 h1.52
  text "GERBER DATE : 2022. 09. 30." at 0,147.294 h1.52
  text "LAYER :" at 0,144.5 h1.52
  text "Layer Stack Up Detail for:" at 126.973,22.606 h1.02
  text "W5100S-PICO-Mining_V100.PcbDoc" at 126.846,20.193 h1.1
  text "Layer Name : 4L  1.6T" at 126.973,17.018 h1.02
  text "Top Layer" at 126.846,13.335 h1.52
  text "Internal Plane 1 (GND)" at 126.846,10.541 h1.52
  text "Internal Plane 2 (POWER)" at 126.846,7.874 h1.52
  text "Bottom Layer" at 126.846,5.334 h1.52
  text "KS Technology artwork" at 126,0 h5.08
Drill Drawing:
  text ".Layer_Name" at 9.398,144.5 h1.52
  text ".Legend" at 128.032,27.432 h1.02

## Dimensions
-1,0 to -1,140 on Mechanical 2
120,-1 to 0,-1 on Mechanical 2

## Text inside footprints (layer, text, board x,y; h text height)
P2: Top Overlay "P12" at 1.8,22.3 h0.76 r90; Top Overlay "P11" at 3.8,22.3 h0.76 r90; Top Overlay "P14" at 1.9,12.8 h0.76 r90; Top Overlay "P1" at 11.9,11 h0.76; Top Overlay "P9" at 11.8,23.9 h0.76; Top Overlay "P10" at 14,25.2 h0.76; Top Overlay "P13" at 3.9,12.8 h0.76 r90
U4: Top Overlay "VIN+" at 15.381,45.77 h0.76 r90; Top Overlay "VIN-" at 17.921,45.77 h0.76 r90; Top Overlay "VIN+" at 20.461,45.77 h0.76 r90; Top Overlay "VIN-" at 23.001,45.77 h0.76 r90; Top Overlay "IC" at 25.541,45.77 h0.76 r90; Top Overlay "NC" at 28.081,45.77 h0.76 r90; Top Overlay "-VDC" at 58.561,45.77 h0.76 r90; Top Overlay "++VDC" at 61.101,45.77 h0.76 r90; Top Overlay "ADJ" at 63.641,45.77 h0.76 r90; Top Overlay "IC" at 66.181,45.77 h0.76 r90